# Altium PCB CM_PCB.PcbDoc (part 3 of 7)
Units mil, origin at the board's own origin, x right, y up, seen from the top; angles counter-clockwise.
Board outline 6478 x 5255 mil, 14 copper layers (Top Layer, GND1, HS1, GND2, DIFF_SE1, GND3, POWER1, POWER2, GND4, DIFF_SE2, GND5, HS2, GND6, Bottom Layer), stack 76.1 mil thick; 327 components, 386 nets, 2198 pads, 830 vias.
Unrouted connection lines stored in the file: 392.
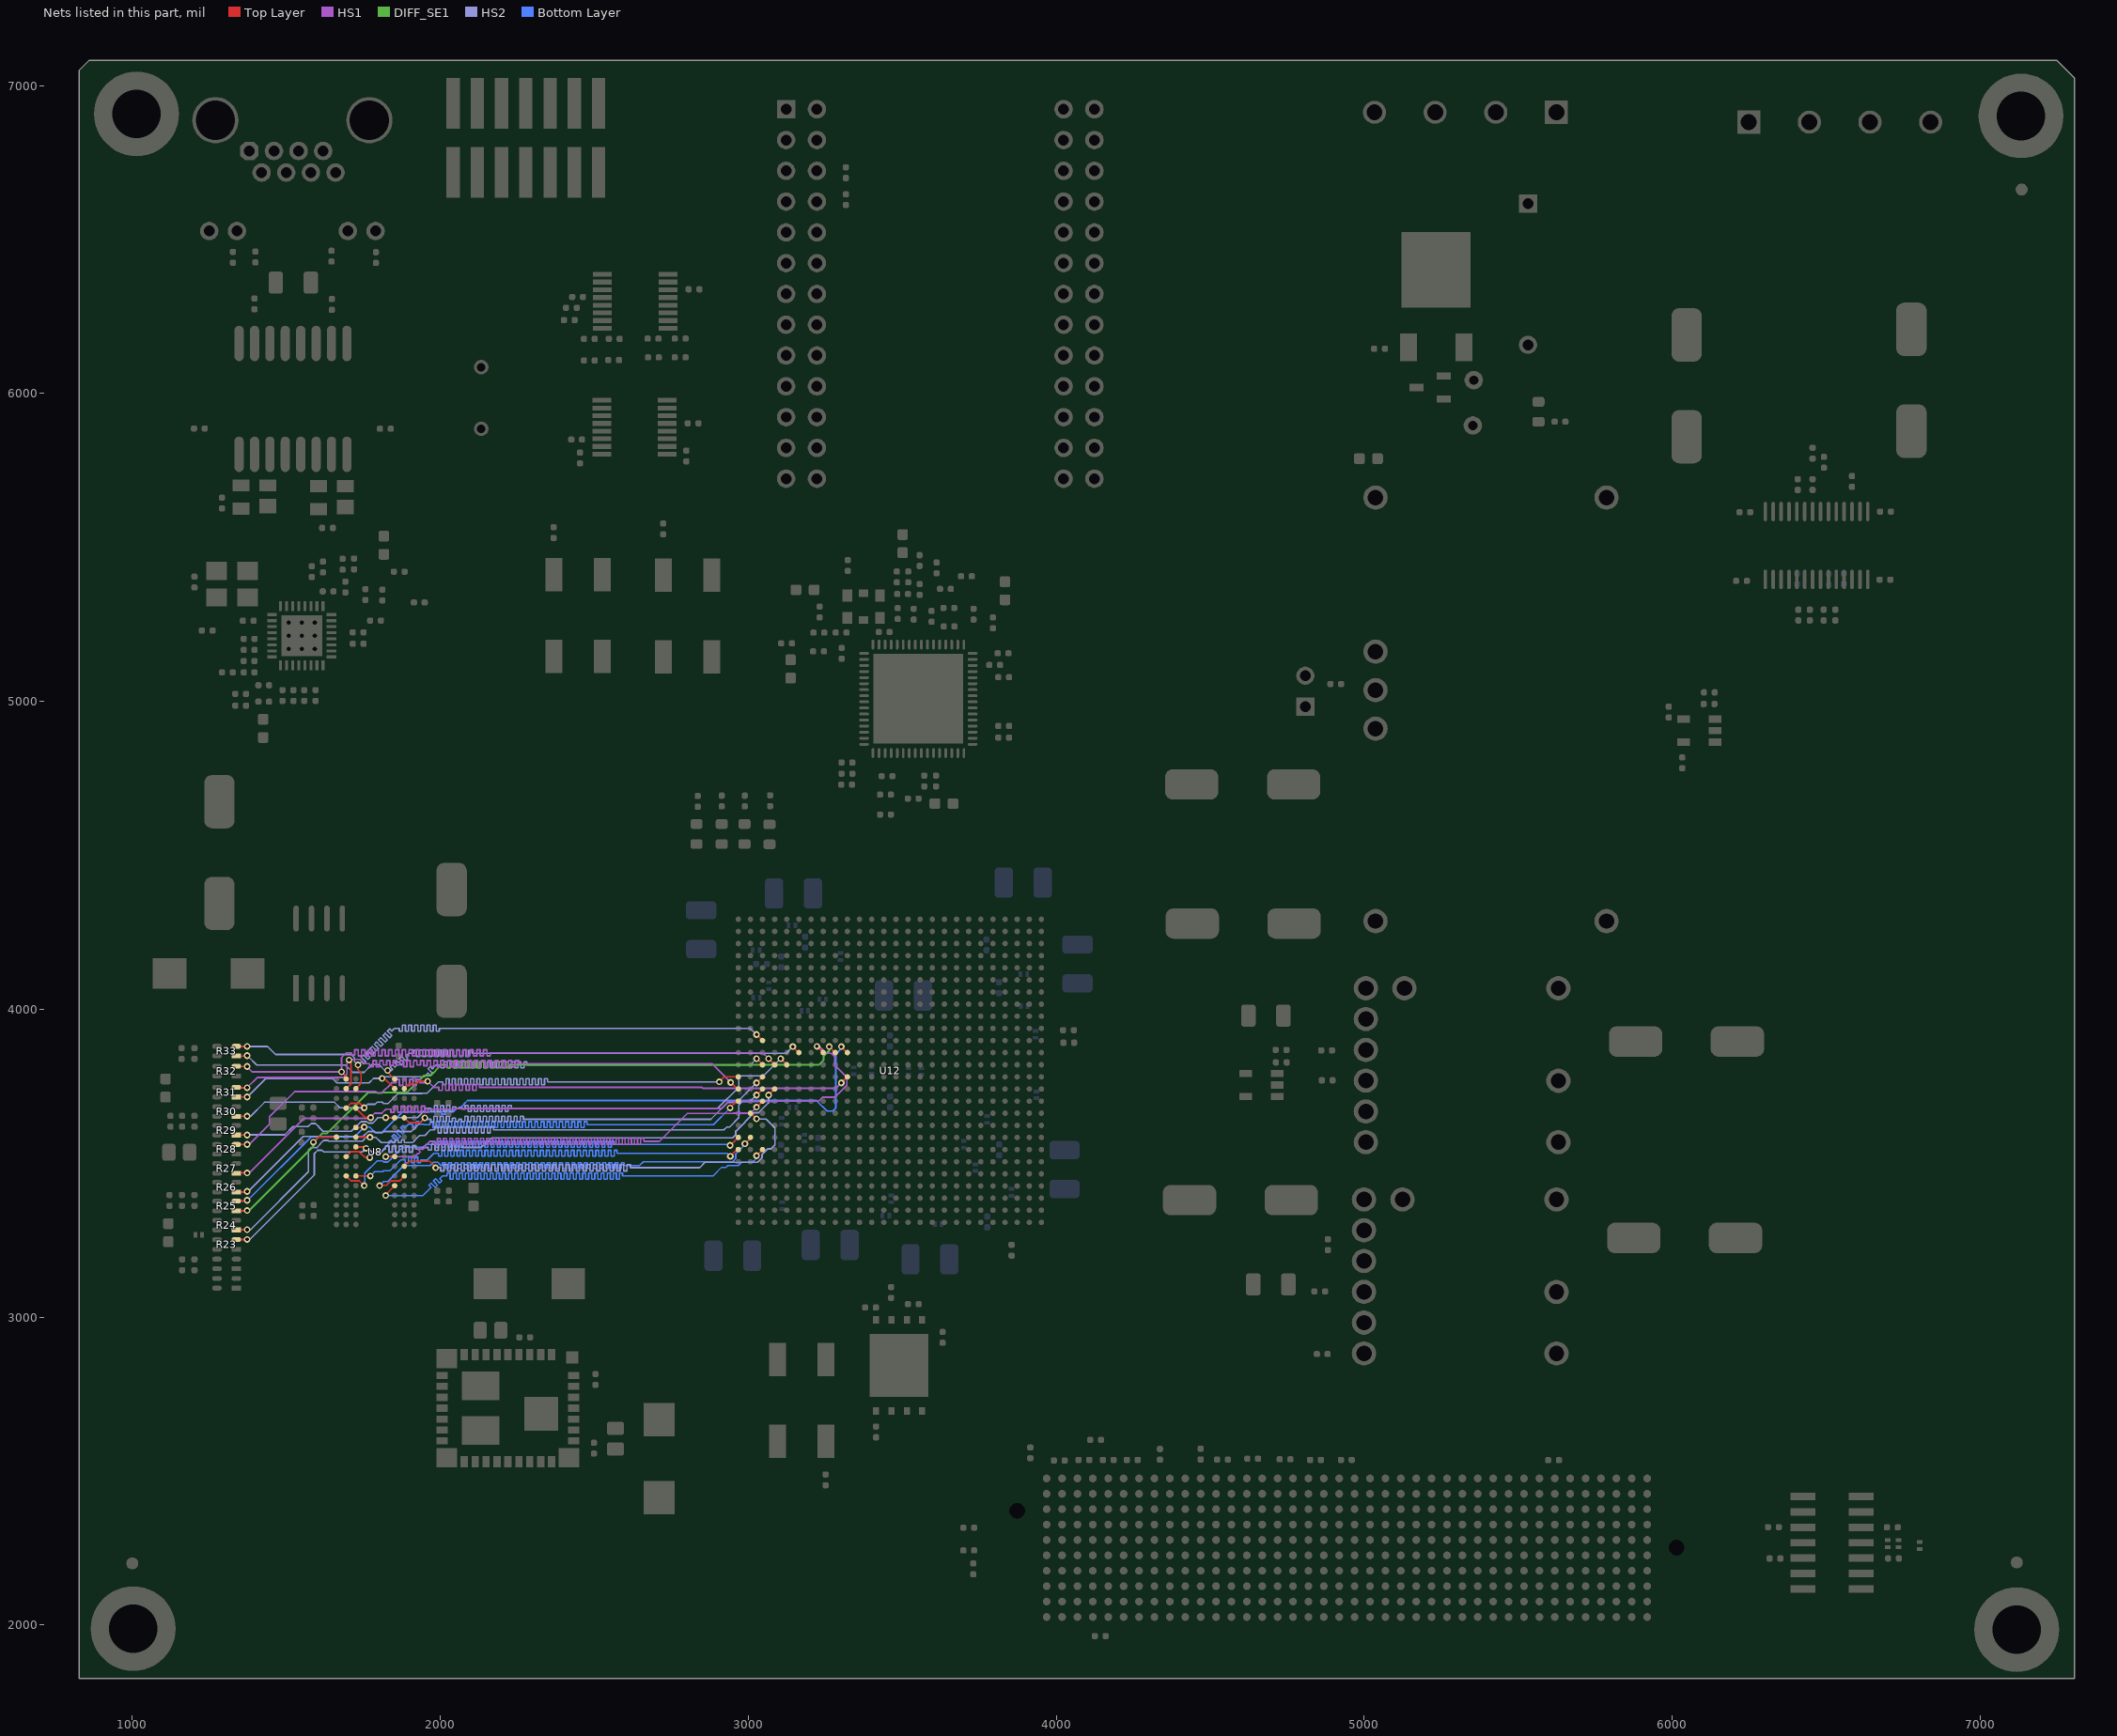
[diagram p15: the nets of this part, all layers, seen from the top]

## Via types
v1: diameter 22, hole 11, Top Layer to Bottom Layer, 627 vias
v2: diameter 22, hole 11, Top Layer to Bottom Layer, tented top, 139 vias
v3: diameter 19.68, hole 7.87, Top Layer to Bottom Layer, tented top, 27 vias
v4: diameter 19.68, hole 7.87, Top Layer to Bottom Layer, 25 vias
v5: diameter 19.68, hole 11.81, Top Layer to Bottom Layer, 12 vias

## Nets (pads, with @x,y where several pads share a name; then routed paths per layer and width w, separated by ;. In a path a pad name is that pad's centre, name@x,y a point inside that pad or via, vN(x,y) a via of type N, cw(c..) or ccw(c..) an arc to the next point about the centre after c; other vN are vias at no path point) (continued)
DDR_A6: R31.2 U8.R8 U12.R1 | length 2667.6
  Top Layer w5.5: R31.2@1342.5,3745 v2(1373,3745) v2@1379,3745 ; U8.R8@1694.51,3741.72 1710.4,3757.61 1710.4,3828.6 v2(1704,3835) ; v2(2943,3762) 2964.26,3740.74 U12.R1@2967.82,3740.74
  HS1 w5.5: v2@1364.75,3745 v2@1370.75,3745 ; v2@1376,3748 1406,3778 1686.1,3778 1697.24,3789.14 1697.24,3828.24 v2(1704,3835) 1705.75,3836.75 1740.35,3836.75 1754.1,3823 1759.6,3823 1770.6,3823 1770.6,3813 1781.6,3813 1781.6,3823 1781.6,3833 1792.6,3833 1792.6,3823 1792.6,3813 1803.6,3813 1803.6,3823 1803.6,3833 1814.6,3833 1814.6,3823 1814.6,3818.42 1825.6,3818.42 1825.6,3823 1825.6,3833 1836.6,3833 1836.6,3823 1836.6,3817.04 1847.6,3817.04 1847.6,3823 1847.6,3833 1858.6,3833 1858.6,3823 1858.6,3818.75 1869.6,3818.75 1869.6,3823 1869.6,3833 1880.6,3833 1880.6,3823 1880.6,3813 1891.6,3813 1891.6,3823 1891.6,3833 1902.6,3833 1902.6,3823 1902.6,3813 1913.6,3813 1913.6,3823 1913.6,3833 1924.6,3833 1924.6,3823 1924.6,3818.59 1935.6,3818.59 1935.6,3823 1935.6,3833 1946.6,3833 1946.6,3823 1946.6,3816.52 1957.6,3816.52 1957.6,3823 1957.6,3833 1968.6,3833 1968.6,3823 1968.6,3813 1979.6,3813 1979.6,3823 1979.6,3833 1990.6,3833 1990.6,3823 1990.6,3813 2001.6,3813 2001.6,3823 2001.6,3833 2012.6,3833 2012.6,3823 2012.6,3813 2023.6,3813 2023.6,3823 2023.6,3833 2034.6,3833 2034.6,3823 2034.6,3813 2045.6,3813 2045.6,3823 2045.6,3833 2056.6,3833 2056.6,3823 2056.6,3813 2067.6,3813 2067.6,3823 2067.6,3833 2078.6,3833 2078.6,3823 2078.6,3813 2089.6,3813 2089.6,3823 2089.6,3833 2100.6,3833 2100.6,3823 2100.6,3813 2111.6,3813 2111.6,3823 2111.6,3833 2122.6,3833 2122.6,3823 2122.6,3813 2133.6,3813 2133.6,3823 2133.6,3833 2144.6,3833 2144.6,3823 2144.6,3813 2155.6,3813 2155.6,3823 2155.6,3833 2166.6,3833 2166.6,3823 2166.6,3813 2177.6,3813 2177.6,3823 2177.6,3833 2188.6,3833 2188.6,3823 2188.6,3813 2199.6,3813 2199.6,3823 2199.6,3833 2210.6,3833 2210.6,3823 2210.6,3813 2221.6,3813 2221.6,3823 2221.6,3833 2232.6,3833 2232.6,3823 2232.6,3813 2243.6,3813 2243.6,3823 2243.6,3833 2254.6,3833 2254.6,3823 2288,3823 2882,3823 v2(2943,3762)
DDR_A7: R28.2 U8.R2 U12.P10 | length 2577.5
  Top Layer w4: v1(3302.46,3760.42) U12.P10@3322.15,3780.11
  Top Layer w5.5: R28.2@1341.5,3561 v2(1373,3561) v2@1377,3561 ; U8.R2@1883.49,3741.72 1898.76,3757 ; 1898,3757 1898.76,3757 ; 1899.1,3757.33 1898.76,3757 ; v2(1959,3766) 1929.84,3766 1921.45,3757.61 1908.52,3757.61 1909.13,3757 1898.76,3757
  HS1 w5.5: v2@1364.75,3561 v2@1367.75,3561 ; v2@1380,3561 1445.44,3626.44 1445.44,3650.44 1527,3732 1791.9,3732 1795.65,3728.25 1810.35,3728.25 1841.55,3759.45 1843.85,3761.75 1845.5,3761.75 1856.5,3761.75 1856.5,3771.75 1867.5,3771.75 1867.5,3761.75 1867.5,3751.75 1878.5,3751.75 1878.5,3761.75 1878.5,3771.75 1889.5,3771.75 1889.5,3761.75 1889.5,3751.75 1900.5,3751.75 1900.5,3761.75 1900.5,3771.75 1911.5,3771.75 1911.5,3761.75 1911.5,3751.75 1922.5,3751.75 1922.5,3761.75 1922.5,3771.75 1933.5,3771.75 1933.5,3761.75 1944.5,3761.75 1950,3761.75 1954.75,3761.75 v2(1959,3766) 1979,3746 1984.5,3746 1995.5,3746 1995.5,3736 2006.5,3736 2006.5,3746 2006.5,3756 2017.5,3756 2017.5,3746 2017.5,3736 2028.5,3736 2028.5,3746 2028.5,3756 2039.5,3756 2039.5,3746 2039.5,3736 2050.5,3736 2050.5,3746 2050.5,3756 2061.5,3756 2061.5,3746 2061.5,3736 2072.5,3736 2072.5,3746 2072.5,3756 2083.5,3756 2083.5,3746 2083.5,3736 2094.5,3736 2094.5,3746 2094.5,3756 2105.5,3756 2105.5,3746 2105.5,3736 2116.5,3736 2116.5,3746 2116.5,3756 2127.5,3756 2127.5,3746 2146,3746 2850,3746 2853.33,3742.67 2994.86,3742.67 2995.18,3743 3019.2,3743 3019.52,3742.67 3034.23,3742.67 3034.55,3743 3058.57,3743 3058.89,3742.67 3073.6,3742.67 3073.92,3743 3097.94,3743 3098.26,3742.67 3112.97,3742.67 3113.29,3743 3137.31,3743 3137.63,3742.67 3152.34,3742.67 3152.66,3743 3176.68,3743 3177,3742.67 3191.71,3742.67 3192.03,3743 3216.05,3743 3216.37,3742.67 3278.32,3742.67 3279.16,3743.52 3285.56,3743.52 v1(3302.46,3760.42)
DDR_A8: R32.2 U8.T8 U12.N4 | length 2669.4
  Top Layer w4: v1(3066.24,3839.17) U12.N4@3085.93,3819.48
  Top Layer w5.5: R32.2@1339.5,3814 v2(1373,3814) v2@1374,3814 ; v2(1679.49,3796.49) 1694.51,3781.46 U8.T8@1694.51,3773.22
  HS1 w5.5: v2@1364.75,3814 v2@1366.75,3814 ; v2@1372,3814 1389.51,3796.49 v2(1679.49,3796.49) 1679.49,3842.49 1695,3858 1700.5,3858 1711.5,3858 1711.5,3851.09 1722.5,3851.09 1722.5,3858 1722.5,3868 1733.5,3868 1733.5,3858 1733.5,3848 1744.5,3848 1744.5,3858 1744.5,3868 1755.5,3868 1755.5,3858 1755.5,3848 1766.5,3848 1766.5,3858 1766.5,3868 1777.5,3868 1777.5,3858 1777.5,3848 1788.5,3848 1788.5,3858 1788.5,3868 1799.5,3868 1799.5,3858 1799.5,3848 1810.5,3848 1810.5,3858 1810.5,3868 1821.5,3868 1821.5,3858 1821.5,3848 1832.5,3848 1832.5,3858 1832.5,3868 1843.5,3868 1843.5,3858 1843.5,3848 1854.5,3848 1854.5,3858 1854.5,3868 1865.5,3868 1865.5,3858 1865.5,3848 1876.5,3848 1876.5,3858 1876.5,3868 1887.5,3868 1887.5,3858 1887.5,3848 1898.5,3848 1898.5,3858 1898.5,3868 1909.5,3868 1909.5,3858 1909.5,3848 1920.5,3848 1920.5,3858 1920.5,3868 1931.5,3868 1931.5,3858 1931.5,3848 1942.5,3848 1942.5,3858 1942.5,3868 1953.5,3868 1953.5,3858 1953.5,3848 1964.5,3848 1964.5,3858 1964.5,3868 1975.5,3868 1975.5,3858 1975.5,3848 1986.5,3848 1986.5,3858 1986.5,3868 1997.5,3868 1997.5,3858 1997.5,3848 2008.5,3848 2008.5,3858 2008.5,3868 2019.5,3868 2019.5,3858 2019.5,3848 2030.5,3848 2030.5,3858 2030.5,3868 2041.5,3868 2041.5,3858 2041.5,3848 2052.5,3848 2052.5,3858 2052.5,3868 2063.5,3868 2063.5,3858 2063.5,3848 2074.5,3848 2074.5,3858 2074.5,3868 2085.5,3868 2085.5,3858 2085.5,3848 2096.5,3848 2096.5,3858 2096.5,3868 2107.5,3868 2107.5,3858 2107.5,3848 2118.5,3848 2118.5,3858 2118.5,3868 2129.5,3868 2129.5,3858 2129.5,3848 2140.5,3848 2140.5,3858 2140.5,3868 2151.5,3868 2151.5,3858 2151.5,3848 2162.5,3848 2162.5,3858 2166,3858 3047.41,3858 v1(3066.24,3839.17)
DDR_A9: R31.1 U8.R3 U12.N3 | length 2440.7
  Top Layer w4: v1(3026.87,3839.17) U12.N3@3046.56,3819.48
  Top Layer w5: R31.1@1341,3715 v2(1373,3715) v2@1378,3715
  Top Layer w5.5: v2(1811,3775) 1811,3775.28 1814.72,3779 U8.R3@1851.99,3741.72
  HS2 w5: v2@1364.5,3715 v2@1365.5,3715 ; v2@1364.5,3716 v2@1365.5,3715 ; v2@1366.5,3715 v2@1365.5,3715 ; v2@1375,3716 1433.5,3774.5 1650.6,3774.5 1664.1,3761 1769.1,3761 1783.05,3774.95 1783,3775 v2(1811,3775) 1816,3780 1947.9,3780 1949.9,3782 1953.43,3785.54 1960.5,3792.61 1967.58,3785.54 1974.65,3792.61 1967.58,3799.68 1960.5,3806.75 1967.58,3813.82 1974.65,3806.75 1981.72,3813.82 1986.9,3819 1991.9,3819 2001.9,3819 2001.9,3809 2011.9,3809 2011.9,3819 2011.9,3829 2021.9,3829 2021.9,3819 2021.9,3809 2031.9,3809 2031.9,3819 2031.9,3829 2041.9,3829 2041.9,3819 2041.9,3809 2051.9,3809 2051.9,3819 2051.9,3829 2061.9,3829 2061.9,3819 2061.9,3809 2071.9,3809 2071.9,3819 2071.9,3829 2081.9,3829 2081.9,3819 2081.9,3809 2091.9,3809 2091.9,3819 2091.9,3829 2101.9,3829 2101.9,3819 2101.9,3809 2111.9,3809 2111.9,3819 2111.9,3829 2121.9,3829 2121.9,3819 2121.9,3809 2131.9,3809 2131.9,3819 2131.9,3829 2141.9,3829 2141.9,3819 2141.9,3809 2151.9,3809 2151.9,3819 2151.9,3829 2161.9,3829 2161.9,3819 2161.9,3809 2171.9,3809 2171.9,3819 2171.9,3829 2181.9,3829 2181.9,3819 2181.9,3809 2191.9,3809 2191.9,3819 2191.9,3829 2201.9,3829 2201.9,3819 2201.9,3809 2211.9,3809 2211.9,3819 2211.9,3829 2221.9,3829 2221.9,3819 2221.9,3809 2231.9,3809 2231.9,3819 2231.9,3829 2241.9,3829 2241.9,3819 2241.9,3809 2251.9,3809 2251.9,3819 2251.9,3829 2261.9,3829 2261.9,3819 2261.9,3809 2271.9,3809 2271.9,3819 2271.9,3829 2281.9,3829 2281.9,3819 2293,3819 3006.71,3819 v1(3026.87,3839.17)
DDR_A10: R25.2 U8.L7 U12.M10 | length 2408.4
  Top Layer w4: v1(3302.46,3878.54) U12.M10@3322.15,3858.85
  Top Layer w5.5: R25.2@1341,3376.5 v2@1364.75,3376.5 ; v2@1367.25,3379 v2@1364.75,3376.5 ; v2@1376.5,3376.5 v2@1364.75,3376.5 ; U8.L7@1726.01,3615.74 1751.74,3615.74 v2(1753,3617)
  Bottom Layer w5.5: v2@1379,3379 1379,3384.1 1580.65,3585.75 1721.75,3585.75 v2(1753,3617) 1771,3617 1788.75,3599.25 1810.35,3599.25 1878.1,3667 1961,3667 2004.4,3667 2004.4,3659.23 2015.4,3659.23 2015.4,3667 2015.4,3674.77 2026.4,3674.77 2026.4,3667 2037.4,3667 2042.9,3667 2053.65,3677.75 2063.85,3677.75 2076.75,3690.65 2076.75,3691.65 2088.41,3703.3 3221.59,3703.3 3255.65,3669.25 3274.32,3669.25 3284.71,3679.65 3284.71,3853.8 3302.46,3871.55 v1(3302.46,3878.54)
  other v2: 1373,3379
DDR_A11: R33.2 U8.R7 U12.L3 | length 2431.9
  Top Layer w4: v1(3026.87,3917.91) U12.L3@3046.56,3898.22
  Top Layer w5: R33.2@1338.5,3879 v2(1373,3879) v2@1376,3879
  Top Layer w5.5: U8.R7@1726.01,3741.72 1743,3758.72 1743,3794 1733,3804 v2(1733,3819)
  HS2 w5: v2@1376,3879 1439,3879 1465,3853 1711.1,3853 1721.75,3842.35 1721.75,3830.25 v2(1733,3819) 1736.54,3822.54 1743.61,3829.61 1750.65,3822.57 1757.72,3829.64 1750.68,3836.68 1743.64,3843.72 1750.71,3850.79 1757.75,3843.75 1764.79,3836.71 1771.86,3843.78 1764.82,3850.82 1757.78,3857.86 1764.85,3864.93 1771.89,3857.89 1778.93,3850.85 1786,3857.92 1778.96,3864.96 1771.92,3872 1778.99,3879.07 1786.03,3872.03 1793.07,3864.99 1800.14,3872.06 1793.1,3879.1 1786.06,3886.14 1793.13,3893.22 1800.18,3886.18 1807.22,3879.13 1814.29,3886.21 1807.25,3893.25 1800.21,3900.29 1807.28,3907.36 1814.32,3900.32 1821.36,3893.28 1828.43,3900.35 1821.39,3907.39 1814.35,3914.43 1821.42,3921.5 1828.46,3914.46 1835.5,3907.42 1842.57,3914.49 1835.53,3921.53 1828.49,3928.57 1835.56,3935.64 1842.6,3928.6 1849.67,3935.67 1852,3938 1857,3938 1867,3938 1867,3928.04 1877,3928.04 1877,3938 1877,3947.96 1887,3947.96 1887,3938 1887,3928.04 1897,3928.04 1897,3938 1897,3947.96 1907,3947.96 1907,3938 1907,3928.04 1917,3928.04 1917,3938 1917,3947.96 1927,3947.96 1927,3938 1927,3928.04 1937,3928.04 1937,3938 1937,3947.96 1947,3947.96 1947,3938 1947,3928.04 1957,3928.04 1957,3938 1957,3947.96 1967,3947.96 1967,3938 1967,3928.04 1977,3928.04 1977,3938 1977,3947.96 1987,3947.96 1987,3938 1987,3928.04 1997,3928.04 1997,3938 2028,3938 3006.78,3938 v1(3026.87,3917.91)
DDR_A12: R27.1 U8.N7 U12.M8 | length 2587.2
  Top Layer w4: v1(3223,3879) 3223.26,3879 U12.M8@3243.41,3858.85
  Top Layer w5.5: R27.1@1342,3468 v2(1373,3468) v2@1378,3468 ; U8.N7@1726.01,3680.75 U8.N7@1726.01,3678.73 1756.74,3648 v2(1774,3648)
  HS1 w5.5: v2@1364.75,3468 v2@1366.75,3468 ; v2@1380,3468 1557.25,3645.25 1771.25,3645.25 v2(1774,3648) 1774,3649 1787.25,3662.25 1810.35,3662.25 1823.1,3675 1828.6,3675 1839.6,3675 1839.6,3665.37 1850.6,3665.37 1850.6,3675 1850.6,3684.63 1861.6,3684.63 1861.6,3675 1861.6,3665.37 1872.6,3665.37 1872.6,3675 1872.6,3684.63 1883.6,3684.63 1883.6,3675 1883.6,3665.37 1894.6,3665.37 1894.6,3675 1894.6,3684.63 1905.6,3684.63 1905.6,3675 1905.6,3665.37 1916.6,3665.37 1916.6,3675 1916.6,3684.63 1927.6,3684.63 1927.6,3675 1927.6,3665.37 1938.6,3665.37 1938.6,3675 1938.6,3684.63 1949.6,3684.63 1949.6,3675 1949.6,3665.37 1960.6,3665.37 1960.6,3675 2029,3675 2045.9,3675 2048.65,3677.75 2914.42,3677.75 2936.1,3699.43 3092.43,3699.43 3094,3701 3228.77,3701 3228.77,3703.3 3231.08,3703.3 3241.47,3713.7 3280.84,3713.7 3320.21,3753.07 3320.21,3779.21 3280.84,3818.58 3280.84,3846.52 3270.45,3856.92 3252.08,3856.92 3230,3879 v1(3223,3879) 3223,3875.39 v1@3223.72,3874.67
DDR_A13: R33.1 U8.T3 U12.M6 | length 2427.8
  Top Layer w4: v1(3144.98,3878.54) U12.M6@3164.67,3858.85
  Top Layer w5: R33.1@1338,3848 v2@1364.5,3848 ; v2@1365.5,3849 v2@1364.5,3848 ; v2@1376,3848 v2@1364.5,3848
  Top Layer w5.5: v2(1829,3801) 1829,3796.21 U8.T3@1851.99,3773.22
  HS2 w5: v2@1364.5,3847 v2@1365.5,3848 ; v2@1364.5,3848 v2@1364.5,3849 ; v2@1376,3847 1404,3819 1692,3819 1716.15,3794.85 1752.75,3794.85 1777.65,3819.75 1801.35,3819.75 1820.1,3801 v2(1829,3801) 1841.9,3801 1845.43,3804.54 1838.36,3811.61 1845.43,3818.68 1852.5,3811.61 1859.58,3818.68 1852.5,3825.75 1859.58,3832.82 1866.65,3825.75 1873.72,3818.68 1880.79,3825.75 1873.72,3832.82 1866.65,3839.89 1873.72,3846.96 1880.79,3839.89 1887.86,3832.82 1894.93,3839.89 1887.86,3846.96 1894.93,3854.03 1897.81,3856.92 1902.81,3856.92 1912.81,3856.92 1912.81,3866.92 1922.81,3866.92 1922.81,3856.92 1922.81,3846.92 1932.81,3846.92 1932.81,3856.92 1932.81,3866.92 1942.81,3866.92 1942.81,3856.92 1942.81,3846.92 1952.81,3846.92 1952.81,3856.92 1952.81,3866.92 1962.81,3866.92 1962.81,3856.92 1962.81,3846.92 1972.81,3846.92 1972.81,3856.92 1972.81,3866.92 1982.81,3866.92 1982.81,3856.92 1982.81,3846.92 1992.81,3846.92 1992.81,3856.92 1992.81,3866.92 2002.81,3866.92 2002.81,3856.92 2002.81,3846.92 2012.81,3846.92 2012.81,3856.92 2012.81,3866.92 2022.81,3866.92 2022.81,3856.92 2022.81,3846.92 2032.81,3846.92 2032.81,3856.92 2032.81,3866.92 2042.81,3866.92 2042.81,3856.92 2042.81,3846.92 2052.81,3846.92 2052.81,3856.92 2052.81,3866.92 2062.81,3866.92 2062.81,3856.92 2062.81,3846.92 2072.81,3846.92 2072.81,3856.92 2072.81,3866.92 2082.81,3866.92 2082.81,3856.92 2082.81,3846.92 2092.81,3846.92 2092.81,3856.92 2092.81,3866.92 2102.81,3866.92 2102.81,3856.92 2119,3856.92 3123.36,3856.92 v1(3144.98,3878.54)
  other v2: 1373,3849
DDR_BA0: R26.1 U8.M2 U12.P3 | length 2431
  Top Layer w4: v1(3026.87,3760.42) U12.P3@3046.56,3780.11
  Top Layer w5: R26.1@1342,3406 v2@1364.5,3406 ; v2@1366.5,3408 v2@1364.5,3406 ; v2@1375,3406 v2@1364.5,3406
  Top Layer w5.5: U8.M2@1883.49,3647.24 1899.1,3631.63 1936.63,3631.63 1950,3645 v2(1950,3647)
  HS2 w5: v2@1377,3408 1555.5,3586.5 1749.4,3586.5 1765.65,3602.75 1787.25,3602.75 1790.75,3599.25 1812.15,3599.25 1815.65,3602.75 1905.75,3602.75 v2(1950,3647) 1954.75,3642.25 1959.75,3642.25 1969.75,3642.25 1969.75,3632.58 1979.75,3632.58 1979.75,3642.25 1979.75,3652.25 1989.75,3652.25 1989.75,3642.25 1989.75,3635.25 1999.75,3635.25 1999.75,3642.25 1999.75,3652.25 2009.75,3652.25 2009.75,3642.25 2009.75,3635.25 2019.75,3635.25 2019.75,3642.25 2019.75,3652.25 2029.75,3652.25 2029.75,3642.25 2029.75,3635.25 2039.75,3635.25 2039.75,3642.25 2039.75,3646.6 2049.75,3646.6 2049.75,3642.25 2049.75,3635.25 2059.75,3635.25 2059.75,3642.25 2069.75,3642.25 2069.75,3635.25 2079.75,3635.25 2079.75,3642.25 2079.75,3652.25 2089.75,3652.25 2089.75,3642.25 2089.75,3635.25 2099.75,3635.25 2099.75,3642.25 2099.75,3652.25 2109.75,3652.25 2109.75,3642.25 2109.75,3635.25 2119.75,3635.25 2119.75,3642.25 2119.75,3652.25 2129.75,3652.25 2129.75,3642.25 2129.75,3635.25 2139.75,3635.25 2139.75,3642.25 2139.75,3652.25 2149.75,3652.25 2149.75,3642.25 2149.75,3635.25 2159.75,3635.25 2159.75,3642.25 2159.75,3652.25 2169.75,3652.25 2169.75,3642.25 2169.75,3635.25 2179.75,3635.25 2179.75,3642.25 2179.75,3652.25 2189.75,3652.25 2189.75,3642.25 2189.75,3635.25 2199.75,3635.25 2199.75,3642.25 2199.75,3652.25 2209.75,3652.25 2209.75,3642.25 2209.75,3635.25 2219.75,3635.25 2219.75,3642.25 2219.75,3652.25 2229.75,3652.25 2229.75,3642.25 2229.75,3635.25 2239.75,3635.25 2239.75,3642.25 2239.75,3652.25 2249.75,3652.25 2249.75,3642.25 2249.75,3635.25 2259.75,3635.25 2259.75,3642.25 2259.75,3652.25 2269.75,3652.25 2269.75,3642.25 2276,3642.25 2878.79,3642.25 2933.52,3696.98 2963.43,3696.98 v1(3026.87,3760.42)
  other v2: 1373,3408
DDR_BA1: R30.1 U8.N8 U12.P1 | length 2446.1
  Top Layer w5: R30.1@1342,3652 v2(1373,3652) v2@1378,3652
  Top Layer w5.5: U8.N8@1694.51,3678.73 1710.12,3694.34 1738.66,3694.34 v2(1753,3680) ; v2(2906,3764) 2922.11,3780.11 U12.P1@2967.82,3780.11
  HS2 w5: v2@1364.5,3652 v2@1370.5,3652 ; 1384,3652 1429.5,3697.5 1656.5,3697.5 1674,3680 v2(1753,3680) 1764,3691 1788.9,3691 1795.65,3697.75 1811.15,3697.75 1815.65,3693.25 1830.35,3693.25 1863.35,3726.25 1941.5,3726.25 1941.75,3726.5 1956.25,3726.5 1993.75,3764 1998.75,3764 2008.75,3764 2008.75,3754.03 2018.75,3754.03 2018.75,3764 2018.75,3773.97 2028.75,3773.97 2028.75,3764 2028.75,3754.03 2038.75,3754.03 2038.75,3764 2038.75,3773.97 2048.75,3773.97 2048.75,3764 2048.75,3754.03 2058.75,3754.03 2058.75,3764 2058.75,3773.97 2068.75,3773.97 2068.75,3764 2068.75,3754.03 2078.75,3754.03 2078.75,3764 2078.75,3773.97 2088.75,3773.97 2088.75,3764 2088.75,3754.03 2098.75,3754.03 2098.75,3764 2098.75,3773.97 2108.75,3773.97 2108.75,3764 2108.75,3754.03 2118.75,3754.03 2118.75,3764 2118.75,3773.97 2128.75,3773.97 2128.75,3764 2128.75,3754.03 2138.75,3754.03 2138.75,3764 2138.75,3773.97 2148.75,3773.97 2148.75,3764 2148.75,3754.03 2158.75,3754.03 2158.75,3764 2158.75,3773.97 2168.75,3773.97 2168.75,3764 2168.75,3754.03 2178.75,3754.03 2178.75,3764 2178.75,3773.97 2188.75,3773.97 2188.75,3764 2188.75,3754.03 2198.75,3754.03 2198.75,3764 2198.75,3773.97 2208.75,3773.97 2208.75,3764 2208.75,3754.03 2218.75,3754.03 2218.75,3764 2218.75,3773.97 2228.75,3773.97 2228.75,3764 2228.75,3754.03 2238.75,3754.03 2238.75,3764 2238.75,3773.97 2248.75,3773.97 2248.75,3764 2248.75,3754.03 2258.75,3754.03 2258.75,3764 2258.75,3773.97 2268.75,3773.97 2268.75,3764 2268.75,3754.03 2278.75,3754.03 2278.75,3764 2278.75,3773.97 2288.75,3773.97 2288.75,3764 2288.75,3754.03 2298.75,3754.03 2298.75,3764 2298.75,3773.97 2308.75,3773.97 2308.75,3764 2308.75,3754.03 2318.75,3754.03 2318.75,3764 2318.75,3773.97 2328.75,3773.97 2328.75,3764 2328.75,3754.03 2338.75,3754.03 2338.75,3764 2338.75,3773.97 2348.75,3773.97 2348.75,3764 2389,3764 v2(2906,3764)
DDR_BA2: R29.1 U8.M3 U12.N5 | length 2431.2
  Top Layer w4: v1(3105.61,3839.17) U12.N5@3125.3,3819.48
  Top Layer w5: R29.1@1342,3591 v2(1373,3591) v2@1378,3591
  Top Layer w5.5: v2@1821,3648 1821.76,3647.24 U8.M3@1851.99,3647.24
  HS2 w5: v2@1364.5,3591 v2@1365.5,3592 ; v2@1379,3592 1495,3592 1521.35,3618.35 1570.6,3618.35 1580.75,3628.5 1595.25,3628.5 1605.4,3618.35 1605.75,3618.35 1605.75,3617.15 1619.65,3603.25 1711.25,3603.25 1742.75,3634.75 1761.15,3634.75 1765.65,3630.25 1781,3630.25 1791.5,3640.75 1791.5,3641.4 1798.1,3648 v2(1823,3648) 1925.9,3648 1955.65,3677.75 1960.65,3677.75 1970.65,3677.75 1970.65,3667.75 1980.65,3667.75 1980.65,3677.75 1980.65,3687.75 1990.65,3687.75 1990.65,3677.75 1990.65,3667.75 2000.65,3667.75 2000.65,3677.75 2000.65,3687.75 2010.65,3687.75 2010.65,3677.75 2010.65,3667.75 2020.65,3667.75 2020.65,3677.75 2020.65,3687.75 2030.65,3687.75 2030.65,3677.75 2030.65,3667.75 2040.65,3667.75 2040.65,3677.75 2040.65,3682.62 2050.65,3682.62 2050.65,3677.75 2060.65,3677.75 2060.65,3680.58 2070.65,3680.58 2070.65,3677.75 2070.65,3674.6 2080.65,3674.6 2080.65,3677.75 2080.65,3687.75 2090.65,3687.75 2090.65,3677.75 2090.65,3667.75 2100.65,3667.75 2100.65,3677.75 2100.65,3687.75 2110.65,3687.75 2110.65,3677.75 2110.65,3667.75 2120.65,3667.75 2120.65,3677.75 2120.65,3687.75 2130.65,3687.75 2130.65,3677.75 2130.65,3667.75 2140.65,3667.75 2140.65,3677.75 2140.65,3687.75 2150.65,3687.75 2150.65,3677.75 2150.65,3667.75 2160.65,3667.75 2160.65,3677.75 2160.65,3687.75 2170.65,3687.75 2170.65,3677.75 2170.65,3667.75 2180.65,3667.75 2180.65,3677.75 2180.65,3687.75 2190.65,3687.75 2190.65,3677.75 2190.65,3667.75 2200.65,3667.75 2200.65,3677.75 2200.65,3687.75 2210.65,3687.75 2210.65,3677.75 2210.65,3667.75 2220.65,3667.75 2220.65,3677.75 2220.65,3687.75 2230.65,3687.75 2230.65,3677.75 2262,3677.75 2900.85,3677.75 2969,3745.9 2969,3777 2975,3783 3049.45,3783 v1(3105.61,3839.17)